# KiCad board uf2-batch-flasher.kicad_pcb (continued)
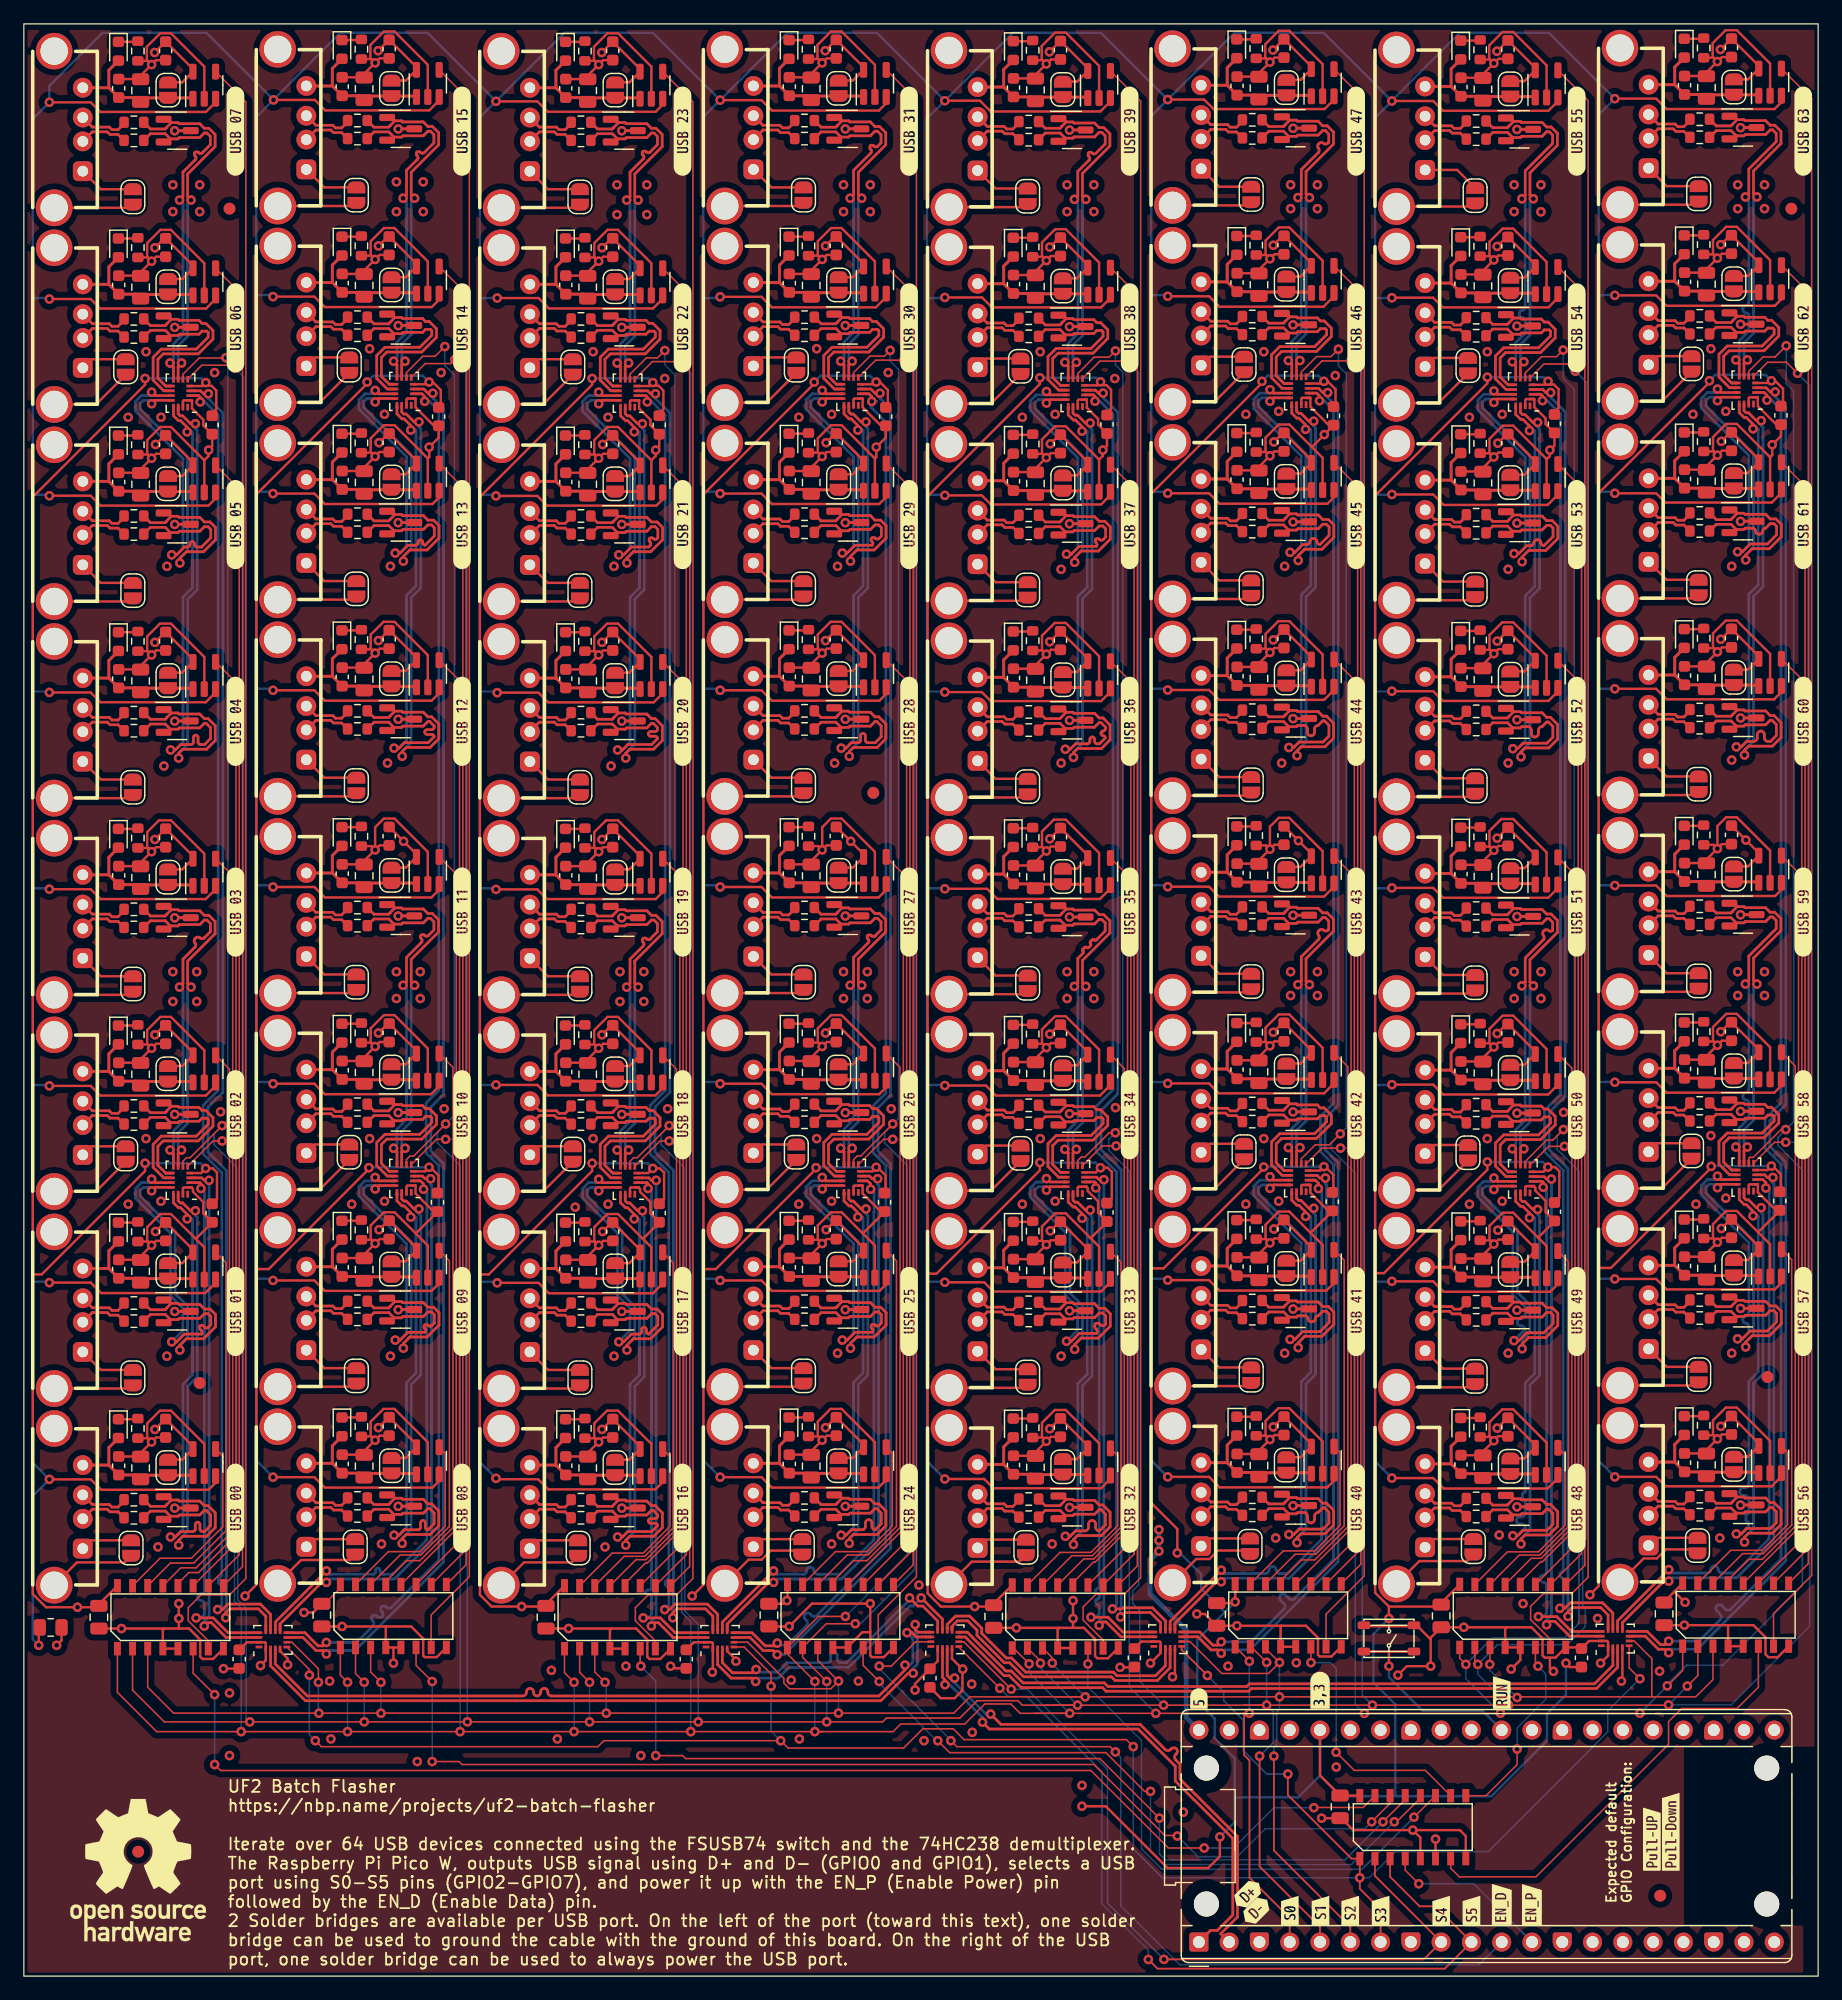
[diagram p0: board, top side]
## Routing (per net, layer and track width the routed paths; a pad name or vN(x,y) marks a point on that pad's centre or on a via; arc(x,y) is an arc through that point) (continued)
  Bottom w0.2: v1(95.95,157.4) 90.35,163 82.95,163 v1(77.25,157.3) ; v1(95.95,157.4) 94.56,156.01 94.56,141 ; v1(95.95,157.4) 101.55,163 109.02,163 v1(114.75,157.28) ; 57,75 58.26,75 v1(58.4,74.85) ; 57,75 57,91.5 ; 57,75 57,58.5 ; 132.09,108 133.42,108 v1(133.45,107.98) ; 132.09,108 132.09,91.5 ; 132.09,108 132.09,124.5 ; 94.56,124.5 95.82,124.5 v1(95.95,124.38) ; 94.56,124.5 94.56,141 ; 94.56,124.5 94.56,108 ; 38.25,91.25 38.25,74.75 ; 38.25,91.25 39.51,91.25 v1(39.6,91.15) ; 38.25,91.25 38.25,107.75 ; 38.25,74.75 39.6,74.75 v1(39.6,74.75) ; 38.25,74.75 38.25,58.25 ; v1(77.25,58.2) 77.2,58.25 75.75,58.25 ; 0.75,107.75 2.06,107.75 v1(2.14,107.67) ; 0.75,107.75 0.75,124.25 ; 0.75,107.75 0.75,91.25 ; 75.75,140.75 75.75,155.8 v1(77.25,157.3) ; 75.75,140.75 77.2,140.75 v1(77.25,140.8) ; 75.75,140.75 75.75,124.25 ; 94.56,75 94.56,58.5 ; 94.56,75 95.82,75 v1(95.95,74.88) ; 94.56,75 94.56,91.5 ; 94.56,58.5 94.56,43.27 v1(95.95,41.88) ; 94.56,58.5 95.82,58.5 v1(95.95,58.38) ; 94.56,141 95.85,141 v1(95.95,140.9) ; 38.25,124.25 39.51,124.25 v1(39.6,124.15) ; 38.25,124.25 38.25,140.75 ; 38.25,124.25 38.25,107.75 ; 113.34,74.75 113.34,91.25 ; 113.34,74.75 113.34,58.25 ; 113.34,74.75 114.72,74.75 v1(114.75,74.78) ; 113.34,91.25 113.34,107.75 ; 113.34,91.25 114.72,91.25 v1(114.75,91.28) ; v1(2.14,74.67) 2.06,74.75 0.75,74.75 ; v1(39.6,157.25) 45.35,163 52.76,163 v1(58.4,157.35) ; v1(39.6,157.25) 38.25,155.9 38.25,140.75 ; v1(39.6,157.25) 33.86,163 26.55,163 20.94,157.39 v1(20.94,157.37) ; v1(58.4,91.35) 58.26,91.5 57,91.5 ; v1(58.4,124.35) 58.26,124.5 57,124.5 ; v1(2.14,58.17) 2.06,58.25 0.75,58.25 ; 57,91.5 57,108 ; 75.75,91.25 75.75,107.75 ; 75.75,91.25 75.75,74.75 ; 75.75,91.25 77.2,91.25 v1(77.25,91.2) ; 75.75,107.75 75.75,124.25 ; 75.75,107.75 77.2,107.75 v1(77.25,107.7) ; 113.34,107.75 113.34,124.25 ; 113.34,107.75 114.72,107.75 v1(114.75,107.78) ; 57,108 57,124.5 ; 57,108 58.26,108 v1(58.4,107.85) ; 57,124.5 57,140.75 ; 19.5,141 20.77,141 v1(20.9,140.87) ; 19.5,141 19.5,124.5 ; 19.5,141 19.5,155.93 v1(20.94,157.37) ; 75.75,124.25 77.2,124.25 v1(77.25,124.2) ; v1(77.25,157.3) 71.55,163 64.05,163 v1(58.4,157.35) ; v1(133.45,41.88) 132.09,43.23 132.09,58.5 ; 19.5,124.5 20.76,124.5 v1(20.9,124.35) ; 19.5,124.5 19.5,108 ; 0.75,58.25 0.75,43.06 v1(2.14,41.67) 0.75,40.28 0.75,28.25 v1(1.25,27.75) ; 0.75,58.25 0.75,74.75 ; v1(20.94,157.37) 15.31,163 6.6,163 2.14,158.54 v1(2.14,157.17) 0.75,155.78 0.75,140.75 ; 38.25,107.75 39.61,107.75 v1(39.7,107.65) ; 0.75,140.75 2.06,140.75 v1(2.14,140.67) ; 0.75,140.75 0.75,124.25 ; 113.34,140.75 114.72,140.75 v1(114.75,140.78) ; 113.34,140.75 113.34,124.25 ; 113.34,140.75 113.34,155.87 v1(114.75,157.28) ; 132.09,91.5 132.09,75 ; 132.09,91.5 133.42,91.5 v1(133.45,91.48) ; 132.09,75 133.42,75 v1(133.45,74.98) ; 132.09,75 132.09,58.5 ; 19.5,58.5 19.5,75 ; 19.5,58.5 19.5,43.25 v1(20.9,41.85) ; 19.5,58.5 20.76,58.5 v1(20.9,58.35) ; 19.5,75 20.76,75 v1(20.9,74.85) ; 19.5,75 19.5,91.5 ; v1(58.4,58.35) 58.26,58.5 57,58.5 ; 19.5,108 20.76,108 v1(20.9,107.85) ; 19.5,108 19.5,91.5 ; 113.34,58.25 113.34,43.18 v1(114.75,41.78) ; 113.34,58.25 114.72,58.25 v1(114.75,58.28) ; v1(39.6,41.75) 38.25,43.1 38.25,58.25 ; v1(114.75,157.28) 114.75,157.31 120.43,163 127.92,163 v1(133.45,157.48) 132.09,156.12 132.09,141 ; 0.75,124.25 2.06,124.25 v1(2.14,124.17) ; 0.75,74.75 0.75,91.25 ; 75.75,74.75 77.2,74.75 v1(77.25,74.7) ; 75.75,74.75 75.75,58.25 ; 132.09,58.5 133.42,58.5 v1(133.45,58.48) ; 132.09,141 133.42,141 v1(133.45,140.98) ; 132.09,141 132.09,124.5 ; 94.56,91.5 94.56,108 ; 94.56,91.5 95.82,91.5 v1(95.95,91.38) ; v1(2.14,91.17) 2.06,91.25 0.75,91.25 ; 38.25,58.25 39.61,58.25 v1(39.7,58.15) ; 19.5,91.5 20.76,91.5 v1(20.9,91.35) ; 132.09,124.5 133.32,124.5 v1(133.45,124.38) ; 94.56,108 95.82,108 v1(95.95,107.88) ; v1(58.4,157.35) 57,155.95 57,140.75 ; 113.34,124.25 114.72,124.25 v1(114.75,124.28) ; v1(77.25,41.7) 75.75,43.2 75.75,58.25 ; 57,140.75 58.3,140.75 v1(58.4,140.85) ; v1(58.4,41.85) 57,43.25 57,58.5 ; 38.25,140.75 39.7,140.75 v1(39.7,140.75)
Net-(D401-K): length 1.7
  Top w0.2: R401.1 9.51,46.71 D401.1
Net-(D501-K): length 1.7
  Top w0.2: D501.1 9.51,63.21 R502.1
Net-(D601-K): length 1.7
  Top w0.2: R602.1 9.51,79.73 D601.1
Net-(D701-K): length 1.7
  Top w0.2: D701.1 9.51,96.23 R702.1
Net-(D901-K): length 1.7
  Top w0.2: D901.1 9.51,129.22 R902.1
Net-(D1001-K): length 1.7
  Top w0.2: D1001.1 9.51,112.73 R1002.1
Net-(D1101-K): length 1.7
  Top w0.2: D1101.1 9.51,145.75 R1102.1
Net-(D1201-K): length 1.7
  Top w0.2: R1202.1 9.51,162.24 D1201.1
Net-(D1401-K): length 1.7
  Top w0.2: R1402.1 28.26,79.88 D1401.1
Net-(D1501-K): length 1.7
  Top w0.2: R1502.1 28.26,96.38 D1501.1
Net-(D1601-K): length 1.7
  Top w0.2: D1601.1 28.26,46.86 R1602.1
Net-(D1701-K): length 1.7
  Top w0.2: R1702.1 28.26,63.36 D1701.1
Net-(D1901-K): length 1.7
  Top w0.2: D1901.1 28.26,162.39 R1902.1
Net-(D2001-K): length 1.7
  Top w0.2: R2002.1 28.26,145.9 D2001.1
Net-(D2101-K): length 1.7
  Top w0.2: D2101.1 28.26,129.37 R2102.1
Net-(D2201-K): length 1.7
  Top w0.2: R2202.1 28.26,112.88 D2201.1
Net-(D2401-K): length 1.7
  Top w0.2: R2402.1 47.01,112.73 D2401.1
Net-(D2501-K): length 1.7
  Top w0.2: R2502.1 65.76,145.9 D2501.1
Net-(D2601-K): length 1.7
  Top w0.2: R2602.1 65.76,129.37 D2601.1
Net-(D2801-K): length 1.7
  Top w0.2: R2802.1 65.76,96.38 D2801.1
Net-(D2901-K): length 1.7
  Top w0.2: R2902.1 65.76,46.86 D2901.1
Net-(D3001-K): length 1.7
  Top w0.2: D3001.1 47.01,145.75 R3002.1
Net-(D3201-K): length 1.7
  Top w0.2: D3201.1 65.76,79.88 R3202.1
Net-(D3301-K): length 1.7
  Top w0.2: D3301.1 65.76,63.36 R3302.1
Net-(D3401-K): length 1.7
  Top w0.2: D3401.1 47.01,63.21 R3402.1
Net-(D3601-K): length 1.7
  Top w0.2: D3601.1 47.01,46.71 R3602.1
Net-(D3701-K): length 1.7
  Top w0.2: D3701.1 47.01,162.24 R3702.1
Net-(D3801-K): length 1.7
  Top w0.2: R3802.1 47.01,129.22 D3801.1
Net-(D3901-K): length 1.7
  Top w0.2: R3902.1 47.01,79.73 D3901.1
Net-(D4101-K): length 1.7
  Top w0.2: R4102.1 47.01,96.23 D4101.1
Net-(D4201-K): length 1.7
  Top w0.2: D4201.1 65.76,162.39 R4202.1
Net-(D4301-K): length 1.7
  Top w0.2: R4302.1 65.76,112.88 D4301.1
Net-(D4501-K): length 1.7
  Top w0.2: R4502.1 103.31,79.94 D4501.1
Net-(D4601-K): length 1.7
  Top w0.2: D4601.1 103.31,63.41 R4602.1
Net-(D4701-K): length 1.7
  Top w0.2: D4701.1 103.31,129.43 R4702.1
Net-(D4901-K): length 1.7
  Top w0.2: D4901.1 84.56,46.77 R4902.1
Net-(D5101-K): length 1.7
  Top w0.2: D5101.1 84.56,112.78 R5102.1
Net-(D5301-K): length 1.7
  Top w0.2: R5302.1 103.31,96.43 D5301.1
Net-(D5401-K): length 1.7
  Top w0.2: R5402.1 103.31,46.92 D5401.1
Net-(D5501-K): length 1.7
  Top w0.2: D5501.1 84.56,129.28 R5502.1
Net-(D5601-K): length 1.7
  Top w0.2: R5602.1 84.56,145.8 D5601.1
Net-(D5701-K): length 1.7
  Top w0.2: R5702.1 103.31,112.93 D5701.1
Net-(D5801-K): length 1.7
  Top w0.2: D5801.1 103.31,145.95 R5802.1
Net-(D6001-K): length 1.7
  Top w0.2: R6002.1 84.56,79.79 D6001.1
Net-(D6101-K): length 1.7
  Top w0.2: D6101.1 84.56,96.28 R6102.1
Net-(D6201-K): length 1.7
  Top w0.2: D6201.1 103.31,162.45 R6202.1
Net-(D6301-K): length 1.7
  Top w0.2: R6302.1 84.56,63.26 D6301.1
Net-(D6401-K): length 1.7
  Top w0.2: D6401.1 84.56,162.3 R6402.1
Net-(D6601-K): length 1.7
  Top w0.2: D6601.1 122.09,112.83 R6602.1
Net-(D6701-K): length 1.7
  Top w0.2: R6702.1 122.09,129.33 D6701.1
Net-(D6801-K): length 1.7
  Top w0.2: R6802.1 140.84,79.99 D6801.1
Net-(D6901-K): length 1.7
  Top w0.2: D6901.1 122.09,63.31 R6902.1
Net-(D7001-K): length 1.7
  Top w0.2: R7002.1 122.09,79.84 D7001.1
Net-(D7201-K): length 1.7
  Top w0.2: R7202.1 140.84,112.98 D7201.1
Net-(D7301-K): length 1.7
  Top w0.2: R7302.1 140.84,96.48 D7301.1
Net-(D7401-K): length 1.7
  Top w0.2: D7401.1 122.09,162.35 R7402.1
Net-(D7501-K): length 1.7
  Top w0.2: R7502.1 140.84,46.97 D7501.1
Net-(D7601-K): length 1.7
  Top w0.2: R7602.1 140.84,146 D7601.1
Net-(D7701-K): length 1.7
  Top w0.2: D7701.1 140.84,129.48 R7702.1
Net-(D7901-K): length 1.7
  Top w0.2: R7902.1 122.09,145.85 D7901.1
Net-(D8001-K): length 1.7
  Top w0.2: D8001.1 122.09,96.33 R8002.1
Net-(D8201-K): length 1.7
  Top w0.2: D8201.1 140.84,63.46 R8202.1
Net-(D8301-K): length 1.7
  Top w0.2: D8301.1 140.84,162.5 R8302.1
Net-(D8401-K): length 1.7
  Top w0.2: R8402.1 122.09,46.82 D8401.1
Net-(J401-Shield): length 7.5
  Top w0.2: JP401.2 8.44,34.71 4.46,34.71 J401.5
Net-(J501-Shield): length 7.1
  Top w0.2: J501.5 8.88,49.29 ; 8.88,49.29 JP501.2 8.88,49.29
Net-(J601-Shield): length 7
  Top w0.2: JP601.2 6.05,65.82 J601.5
Net-(J701-Shield): length 7.1
  Top w0.2: J701.5 8.88,82.31 ; 8.88,82.31 JP701.2 8.88,82.31
Net-(J901-Shield): length 7.1
  Top w0.2: 8.88,115.3 JP901.2 8.88,115.3 ; 8.88,115.3 J901.5
Net-(J1001-Shield): length 7.1
  Top w0.2: 8.88,98.81 JP1001.2 8.88,98.81 ; 8.88,98.81 J1001.5
Net-(J1101-Shield): length 7
  Top w0.2: JP1101.2 6.05,131.83 J1101.5
Net-(J1201-Shield): length 7.1
  Top w0.2: J1201.5 8.88,148.32 ; 8.88,148.32 JP1201.2 8.88,148.32
Net-(J1401-Shield): length 7
  Top w0.2: JP1401.2 24.8,65.97 J1401.5
Net-(J1501-Shield): length 7.1
  Top w0.2: J1501.5 27.63,82.46 ; 27.63,82.46 JP1501.2 27.63,82.46
Net-(J1601-Shield): length 7.5
  Top w0.2: J1601.5 23.26,34.91 27.34,34.91 JP1601.2
Net-(J1701-Shield): length 7.1
  Top w0.2: J1701.5 27.63,49.44 ; 27.63,49.44 JP1701.2 27.63,49.44
Net-(J1901-Shield): length 7.1
  Top w0.2: 27.63,148.47 JP1901.2 27.63,148.47 ; 27.63,148.47 J1901.5
Net-(J2001-Shield): length 7
  Top w0.2: J2001.5 24.8,131.98 JP2001.2
Net-(J2101-Shield): length 7.1
  Top w0.2: 27.63,115.45 JP2101.2 27.63,115.45 ; 27.63,115.45 J2101.5
Net-(J2201-Shield): length 7.1
  Top w0.2: 27.63,98.96 JP2201.2 27.63,98.96 ; 27.63,98.96 J2201.5
Net-(J2401-Shield): length 7.1
  Top w0.2: 46.38,98.81 JP2401.2 46.38,98.81 ; 46.38,98.81 J2401.5
Net-(J2501-Shield): length 7
  Top w0.2: JP2501.2 62.3,131.98 J2501.5
Net-(J2601-Shield): length 7.1
  Top w0.2: J2601.5 65.13,115.45 ; 65.13,115.45 JP2601.2 65.13,115.45
Net-(J2801-Shield): length 7.1
  Top w0.2: 65.13,82.46 JP2801.2 65.13,82.46 ; 65.13,82.46 J2801.5
Net-(J2901-Shield): length 7.8
  Top w0.2: J2901.5 60.78,34.93 61.88,34.93 62.65,35.69 64.96,35.69 JP2901.2
Net-(J3001-Shield): length 7
  Top w0.2: J3001.5 43.55,131.83 JP3001.2
Net-(J3201-Shield): length 7
  Top w0.2: JP3201.2 62.3,65.97 J3201.5
Net-(J3301-Shield): length 7.1
  Top w0.2: J3301.5 65.13,49.44 ; 65.13,49.44 JP3301.2 65.13,49.44
Net-(J3401-Shield): length 7.1
  Top w0.2: 46.38,49.29 JP3401.2 46.38,49.29 ; 46.38,49.29 J3401.5
Net-(J3601-Shield): length 7.5
  Top w0.2: JP3601.2 45.94,34.71 41.96,34.71 J3601.5
Net-(J3701-Shield): length 7.1
  Top w0.2: 46.38,148.32 JP3701.2 46.38,148.32 ; 46.38,148.32 J3701.5
Net-(J3801-Shield): length 7.1
  Top w0.2: J3801.5 46.38,115.3 ; 46.38,115.3 JP3801.2 46.38,115.3
Net-(J3901-Shield): length 7
  Top w0.2: J3901.5 43.55,65.82 JP3901.2
Net-(J4101-Shield): length 7.1
  Top w0.2: 46.38,82.31 JP4101.2 46.38,82.31 ; 46.38,82.31 J4101.5
Net-(J4201-Shield): length 7.1
  Top w0.2: 65.13,148.47 JP4201.2 65.13,148.47 ; 65.13,148.47 J4201.5
Net-(J4301-Shield): length 7.1
  Top w0.2: 65.13,98.96 JP4301.2 65.13,98.96 ; 65.13,98.96 J4301.5
Net-(J4501-Shield): length 7
  Top w0.2: JP4501.2 99.86,66.02 J4501.5
Net-(J4601-Shield): length 7.1
  Top w0.2: J4601.5 102.69,49.49 ; 102.69,49.49 JP4601.2 102.69,49.49
Net-(J4701-Shield): length 7.1
  Top w0.2: 102.69,115.51 JP4701.2 102.69,115.51 ; 102.69,115.51 J4701.5
Net-(J4901-Shield): length 7.5
  Top w0.2: JP4901.2 83.5,34.76 79.51,34.76 J4901.5
Net-(J5101-Shield): length 7.1
  Top w0.2: 83.94,98.86 JP5101.2 83.94,98.86 ; 83.94,98.86 J5101.5
Net-(J5301-Shield): length 7.1
  Top w0.2: 102.69,82.51 JP5301.2 102.69,82.51 ; 102.69,82.51 J5301.5
Net-(J5401-Shield): length 7.7
  Top w0.2: JP5401.2 102.56,35.7 100.15,35.7 99.44,34.99 98.34,34.99 J5401.5
Net-(J5501-Shield): length 7.1
  Top w0.2: 83.94,115.36 JP5501.2 83.94,115.36 ; 83.94,115.36 J5501.5
Net-(J5601-Shield): length 7
  Top w0.2: JP5601.2 81.11,131.89 J5601.5
Net-(J5701-Shield): length 7.1
  Top w0.2: J5701.5 102.69,99.01 ; 102.69,99.01 JP5701.2 102.69,99.01
Net-(J5801-Shield): length 7
  Top w0.2: J5801.5 99.86,132.04 JP5801.2
Net-(J6001-Shield): length 7
  Top w0.2: J6001.5 81.11,65.87 JP6001.2
Net-(J6101-Shield): length 7.1
  Top w0.2: J6101.5 83.94,82.36 ; 83.94,82.36 JP6101.2 83.94,82.36
Net-(J6201-Shield): length 7.1
  Top w0.2: 102.69,148.53 JP6201.2 102.69,148.53 ; 102.69,148.53 J6201.5
Net-(J6301-Shield): length 7.1
  Top w0.2: 83.94,49.34 JP6301.2 83.94,49.34 ; 83.94,49.34 J6301.5
Net-(J6401-Shield): length 7.1
  Top w0.2: J6401.5 83.94,148.38 ; 83.94,148.38 JP6401.2 83.94,148.38
Net-(J6601-Shield): length 7.1
  Top w0.2: 121.47,98.91 JP6601.2 121.47,98.91 ; 121.47,98.91 J6601.5
Net-(J6701-Shield): length 7.1
  Top w0.2: 121.47,115.41 JP6701.2 121.47,115.41 ; 121.47,115.41 J6701.5
Net-(J6801-Shield): length 7
  Top w0.2: JP6801.2 137.39,66.07 J6801.5
Net-(J6901-Shield): length 7.1
  Top w0.2: 121.47,49.39 JP6901.2 121.47,49.39 ; 121.47,49.39 J6901.5
Net-(J7001-Shield): length 7
  Top w0.2: J7001.5 118.64,65.92 JP7001.2
Net-(J7201-Shield): length 7.1
  Top w0.2: J7201.5 140.22,99.06 ; 140.22,99.06 140.48,99.33 140.22,99.06
Net-(J7301-Shield): length 7.1
  Top w0.2: 140.22,82.56 140.48,82.83 140.22,82.56 ; 140.22,82.56 J7301.5
Net-(J7401-Shield): length 7.1
  Top w0.2: 121.47,148.43 JP7401.2 121.47,148.43 ; 121.47,148.43 J7401.5
Net-(J7501-Shield): length 7.8
  Top w0.2: JP7501.2 140.04,35.8 137.73,35.8 136.97,35.04 135.87,35.04 J7501.5
Net-(J7601-Shield): length 7
  Top w0.2: J7601.5 137.39,132.09 JP7601.2
Net-(J7701-Shield): length 7.1
  Top w0.2: J7701.5 140.22,115.56 ; 140.22,115.56 JP7701.2 140.22,115.56
Net-(J7901-Shield): length 7
  Top w0.2: J7901.5 118.64,131.94 JP7901.2
Net-(J8001-Shield): length 7.1
  Top w0.2: 121.47,82.41 JP8001.2 121.47,82.41 ; 121.47,82.41 J8001.5
Net-(J8201-Shield): length 7.1
  Top w0.2: 140.22,49.54 JP8201.2 140.22,49.54 ; 140.22,49.54 J8201.5
Net-(J8301-Shield): length 7.1
  Top w0.2: 140.22,148.58 JP8301.2 140.22,148.58 ; 140.22,148.58 J8301.5
Net-(J8401-Shield): length 7.5
  Top w0.2: JP8401.2 121.03,34.81 117.04,34.81 J8401.5
Net-(SW101-A): length 17.6
  Top w0.2: SW101.3 114.5,27.23 ; 114.5,27.23 v1(114.5,26) ; 114.5,27.23 SW101.4
  Bottom w0.2: U104.30 122.35,22.25 117.33,22.25 114.5,25.08 v1(114.5,26)

## Copper pours and planes (outline as drawn; the poured copper is in the pictures)
+3V3 on Bottom: 139.25,0.25 139.25,19.25 150.25,29.25 150.25,163.25 0.25,163.25 0.25,0.25
+5V on In2.Cu: 150.25,163.25 150.25,161 139.25,161 139.25,145.75 142.75,145.75 142.75,144.75 139.25,144.75 139.25,129.25 142.75,129.25 142.75,128.25 139.25,128.25 139.25,112.75 142.75,112.75 142.75,111.75 139.25,111.75 139.25,96 145,96 145,94.75 139.25,94.75 139.25,79.75 142.75,79.75 142.75,78.75 139.25,78.75 139.25,63.25 142.75,63.25 142.75,62.25 139.25,62.25 139.25,46.75 142.75,46.75 142.75,45.5 139.25,45.5 139.25,32 131.25,32 131.25,161 120.5,161 120.5,145.5 124,145.5 124,144.5 120.5,144.5 120.5,129 124,129 124,128 120.5,128 120.5,112.5 124,112.5 124,111.5 120.5,111.5 120.5,95.85 124.05,95.85 124.05,95.05 120.5,95.05 120.5,79.45 124.05,79.45 124.05,78.65 120.5,78.65 120.5,63 124,63 124,62 120.5,62 120.5,46.5 124,46.5 124,45.5 120.5,45.5 120.5,32 112.5,32 112.5,161 101.75,161 101.75,145.5 105.25,145.5 105.25,144.5 101.75,144.5 101.75,129.25 105.25,129.25 105.25,128 101.75,128 101.75,112.75 105.25,112.75 105.25,111.5 101.75,111.5 101.75,96 107.35,96 107.35,94.75 101.75,94.75 101.75,79.75 105.25,79.75 105.25,78.75 101.75,78.75 101.75,63 105.25,63 105.25,62 101.75,62 101.75,46.75 105.25,46.75 105.25,45.5 101.75,45.5 101.75,32 93.75,32 93.75,161 83,161 83,145.5 86.5,145.5 86.5,144.5 83,144.5 83,129 86.5,129 86.5,128 83,128 83,112.5 86.5,112.5 86.5,111.5 83,111.5 83,95.85 86.45,95.85 86.45,94.95 83,94.95 83,79.45 86.45,79.45 86.45,78.65 83,78.65 83,63 86.5,63 86.5,62 83,62 83,46.5 86.5,46.5 86.5,45.5 83,45.5 83,32 75,32 75,161 64.25,161 64.25,145.75 67.75,145.75 67.75,144.75 64.25,144.75 64.25,129 67.75,129 67.75,128 64.25,128 64.25,112.5 67.75,112.5 67.75,111.5 64.25,111.5 64.25,96 69.75,96 69.75,94.75 64.25,94.75 64.25,79.75 67.75,79.75 67.75,78.5 64.25,78.5 64.25,63 67.75,63 67.75,62 64.25,62 64.25,46.5 67.75,46.5 67.75,45.5 64.25,45.5 64.25,32 56.25,32 56.25,160.75 45.5,160.75 45.5,145.5 49,145.5 49,144.5 45.5,144.5 45.5,129 49,129 49,128 45.5,128 45.5,112.5 49,112.5 49,111.5 45.5,111.5 45.5,95.75 48.95,95.75 48.95,94.95 45.5,94.95 45.5,79.45 48.95,79.45 48.95,78.55 45.5,78.55 45.5,63 49,63 49,62 45.5,62 45.5,46.5 49,46.5 49,45.25 45.5,45.25 45.5,32 37.5,32 37.5,161 26.75,161 26.8,145.75 30.25,145.75 30.25,144.5 26.8,144.5 26.85,129 30.25,129 30.25,128 26.85,128 26.9,112.5 30.25,112.5 30.25,111.5 26.9,111.5 26.87,96.25 32.25,96.25 32.25,95 26.87,95 26.84,79.5 30.25,79.5 30.25,78.5 26.84,78.5 26.81,63 30.25,63 30.25,62 26.81,62 26.78,46.5 30.25,46.5 30.25,45.5 26.78,45.5 26.75,32 19,32 19,160.75 8.25,160.75 8.25,145.5 11.5,145.5 11.5,144.5 8.25,144.5 8.25,129 11.5,129 11.5,128 8.25,128 8.25,112.5 11.5,112.5 11.5,111.5 8.25,111.5 8.25,95.75 11.5,95.75 11.5,94.75 8.25,94.75 8.25,79.5 11.5,79.5 11.5,78.5 8.25,78.5 8.25,63 11.5,63 11.5,62 8.25,62 8.25,46.5 11.5,46.5 11.5,45.5 8.25,45.5 8.25,32 3,27 0.25,27 0.25,163.25
GND on In1.Cu: 150.25,163.25 0.25,163.25 0.25,0.25 149.25,0.25 149.25,4.25 139.25,4.25 139.25,19.25 150.25,19.25
GND on In2.Cu: 139.25,19.25 139.25,0.25 0.25,0.25 0.25,26.5 3,26.5 8.5,31.5 8.5,45.25 11.75,45.25 11.75,46.75 8.5,46.75 8.5,61.75 11.75,61.75 11.75,63.25 8.5,63.25 8.5,78.25 11.75,78.25 11.75,79.75 8.5,79.75 8.5,94.5 11.75,94.5 11.75,96 8.5,96 8.5,111.25 11.75,111.25 11.75,112.75 8.5,112.75 8.5,127.75 11.75,127.75 11.75,129.25 8.5,129.25 8.5,144.25 11.75,144.25 11.75,145.75 8.5,145.75 8.5,160.5 18.75,160.5 18.75,31.75 27,31.75 27,45.25 30.5,45.25 30.5,46.75 27,46.75 27,61.75 30.5,61.75 30.5,63.25 27,63.25 27,78.25 30.5,78.25 30.5,79.75 27.25,79.75 27.25,94.75 32.5,94.75 32.5,96.5 27.25,96.5 27.25,111.25 30.5,111.25 30.5,112.75 27.25,112.75 27.25,127.75 30.5,127.75 30.5,129.25 27.25,129.25 27.25,144.25 30.5,144.25 30.5,146 27.25,146 27.25,160.75 37,160.75 37.25,31.75 45.75,31.75 45.75,45 49.25,45 49.25,46.75 45.75,46.75 45.75,61.75 49.25,61.75 49.25,63.25 45.75,63.25 45.75,78.25 49.25,78.25 49.25,79.75 45.75,79.75 45.75,94.5 49.25,94.5 49.25,96.25 45.75,96.25 45.75,111.25 49.25,111.25 49.25,112.75 45.75,112.75 45.75,127.75 49.25,127.75 49.25,129.25 45.75,129.25 45.75,144.25 49.25,144.25 49.25,145.75 45.75,145.75 45.75,160.5 56,160.5 56,31.75 64.5,31.75 64.5,45.25 68,45.25 68,46.75 64.5,46.75 64.5,61.75 68,61.75 68,63.25 64.5,63.25 64.5,78.25 68,78.25 68,80 64.5,80 64.5,94.5 70,94.5 70,96.25 64.5,96.25 64.5,111.25 68,111.25 68,112.75 64.5,112.75 64.5,127.75 68,127.75 68,129.25 64.5,129.25 64.5,144.5 68,144.5 68,146 64.5,146 64.5,160.75 74.75,160.75 74.75,31.75 83.25,31.75 83.25,45.25 86.75,45.25 86.75,46.75 83.25,46.75 83.25,61.75 86.75,61.75 86.75,63.25 83.25,63.25 83.25,78.25 86.75,78.25 86.75,79.75 83.25,79.75 83.25,94.5 86.75,94.5 86.75,96.25 83.25,96.25 83.25,111.25 86.75,111.25 86.75,112.75 83.25,112.75 83.25,127.75 86.75,127.75 86.75,129.25 83.25,129.25 83.25,144.25 86.75,144.25 86.75,145.75 83.25,145.75 83.25,160.75 93.5,160.75 93.5,31.75 102,31.75 102,45.25 105.5,45.25 105.5,47 102,47 102,61.75 105.5,61.75 105.5,63.25 102,63.25 102,78.5 105.5,78.5 105.5,80 102,80 102,94.5 107.75,94.5 107.75,96.25 102,96.25 102,111.25 105.5,111.25 105.5,113 102,113 102,127.75 105.5,127.75 105.5,129.5 102,129.5 102,144.25 105.5,144.25 105.5,145.75 102,145.75 102,160.75 112.25,160.75 112.25,31.75 120.75,31.75 120.75,45.25 124.25,45.25 124.25,46.75 120.75,46.75 120.75,61.75 124.25,61.75 124.25,63.25 120.75,63.25 120.75,78.25 124.5,78.25 124.5,79.75 120.75,79.75 120.75,94.75 124.5,94.75 124.5,96.25 120.75,96.25 120.75,111.25 124.25,111.25 124.25,112.75 120.75,112.75 120.75,127.75 124.25,127.75 124.25,129.25 120.75,129.25 120.75,144.25 124.25,144.25 124.25,145.75 120.75,145.75 120.75,160.75 131,160.75 131,31.75 139.5,31.75 139.5,45.25 143,45.25 143,47 139.5,47 139.5,62 143,62 143,63.5 139.5,63.5 139.5,78.5 143,78.5 143,80 139.5,80 139.5,94.5 145.25,94.5 145.25,96.25 139.5,96.25 139.5,111.5 143,111.5 143,113 139.5,113 139.5,128 143,128 143,129.5 139.5,129.5 139.5,144.5 143,144.5 143,146 139.5,146 139.5,160.75 150.25,160.75 150.25,19.25
(no net) on Top: 0.25,0.25 149.25,0.25 149.25,4.25 139.25,4.25 139.25,19.25 150.25,19.25 150.25,163.25 0.25,163.25

## Text on the board
F.Silkscreen: Expected default / GPIO Configuration: | UF2 Batch Flasher / https://nbp.name/projects/uf2-batch-flasher / Iterate over 64 USB devices connected using the FSUSB74 switch and the 74HC238 demultiplexer. / The Raspberry Pi Pico W, outputs USB signal using D+ and D- (GPIO0 and GPIO1), selects a USB port using S0-S5 pins (GPIO2-GPIO7), and power it up with the EN_P (Enable Power) pin followed by the EN_D (Enable Data) pin. / 2 Solder bridges are available per USB port. On the left of the port (toward this text), one solder bridge can be used to ground the cable with the ground of this board. On the right of the USB port, one solder bridge can be used to always power the USB port.
